# Altium PCB GEM_AFE_128.PcbDoc (part 6 of 18)
Units mm, origin at the board's own origin, x right, y up, seen from the top; angles counter-clockwise.
Board outline 112 x 81.5 mm, 8 copper layers (Top Layer, L1, L2, L3, L4, L5, L6, Bottom Layer), stack 1.52 mm thick; 1880 components, 1258 nets, 6287 pads, 2369 vias.
Unrouted connection lines stored in the file: 4.
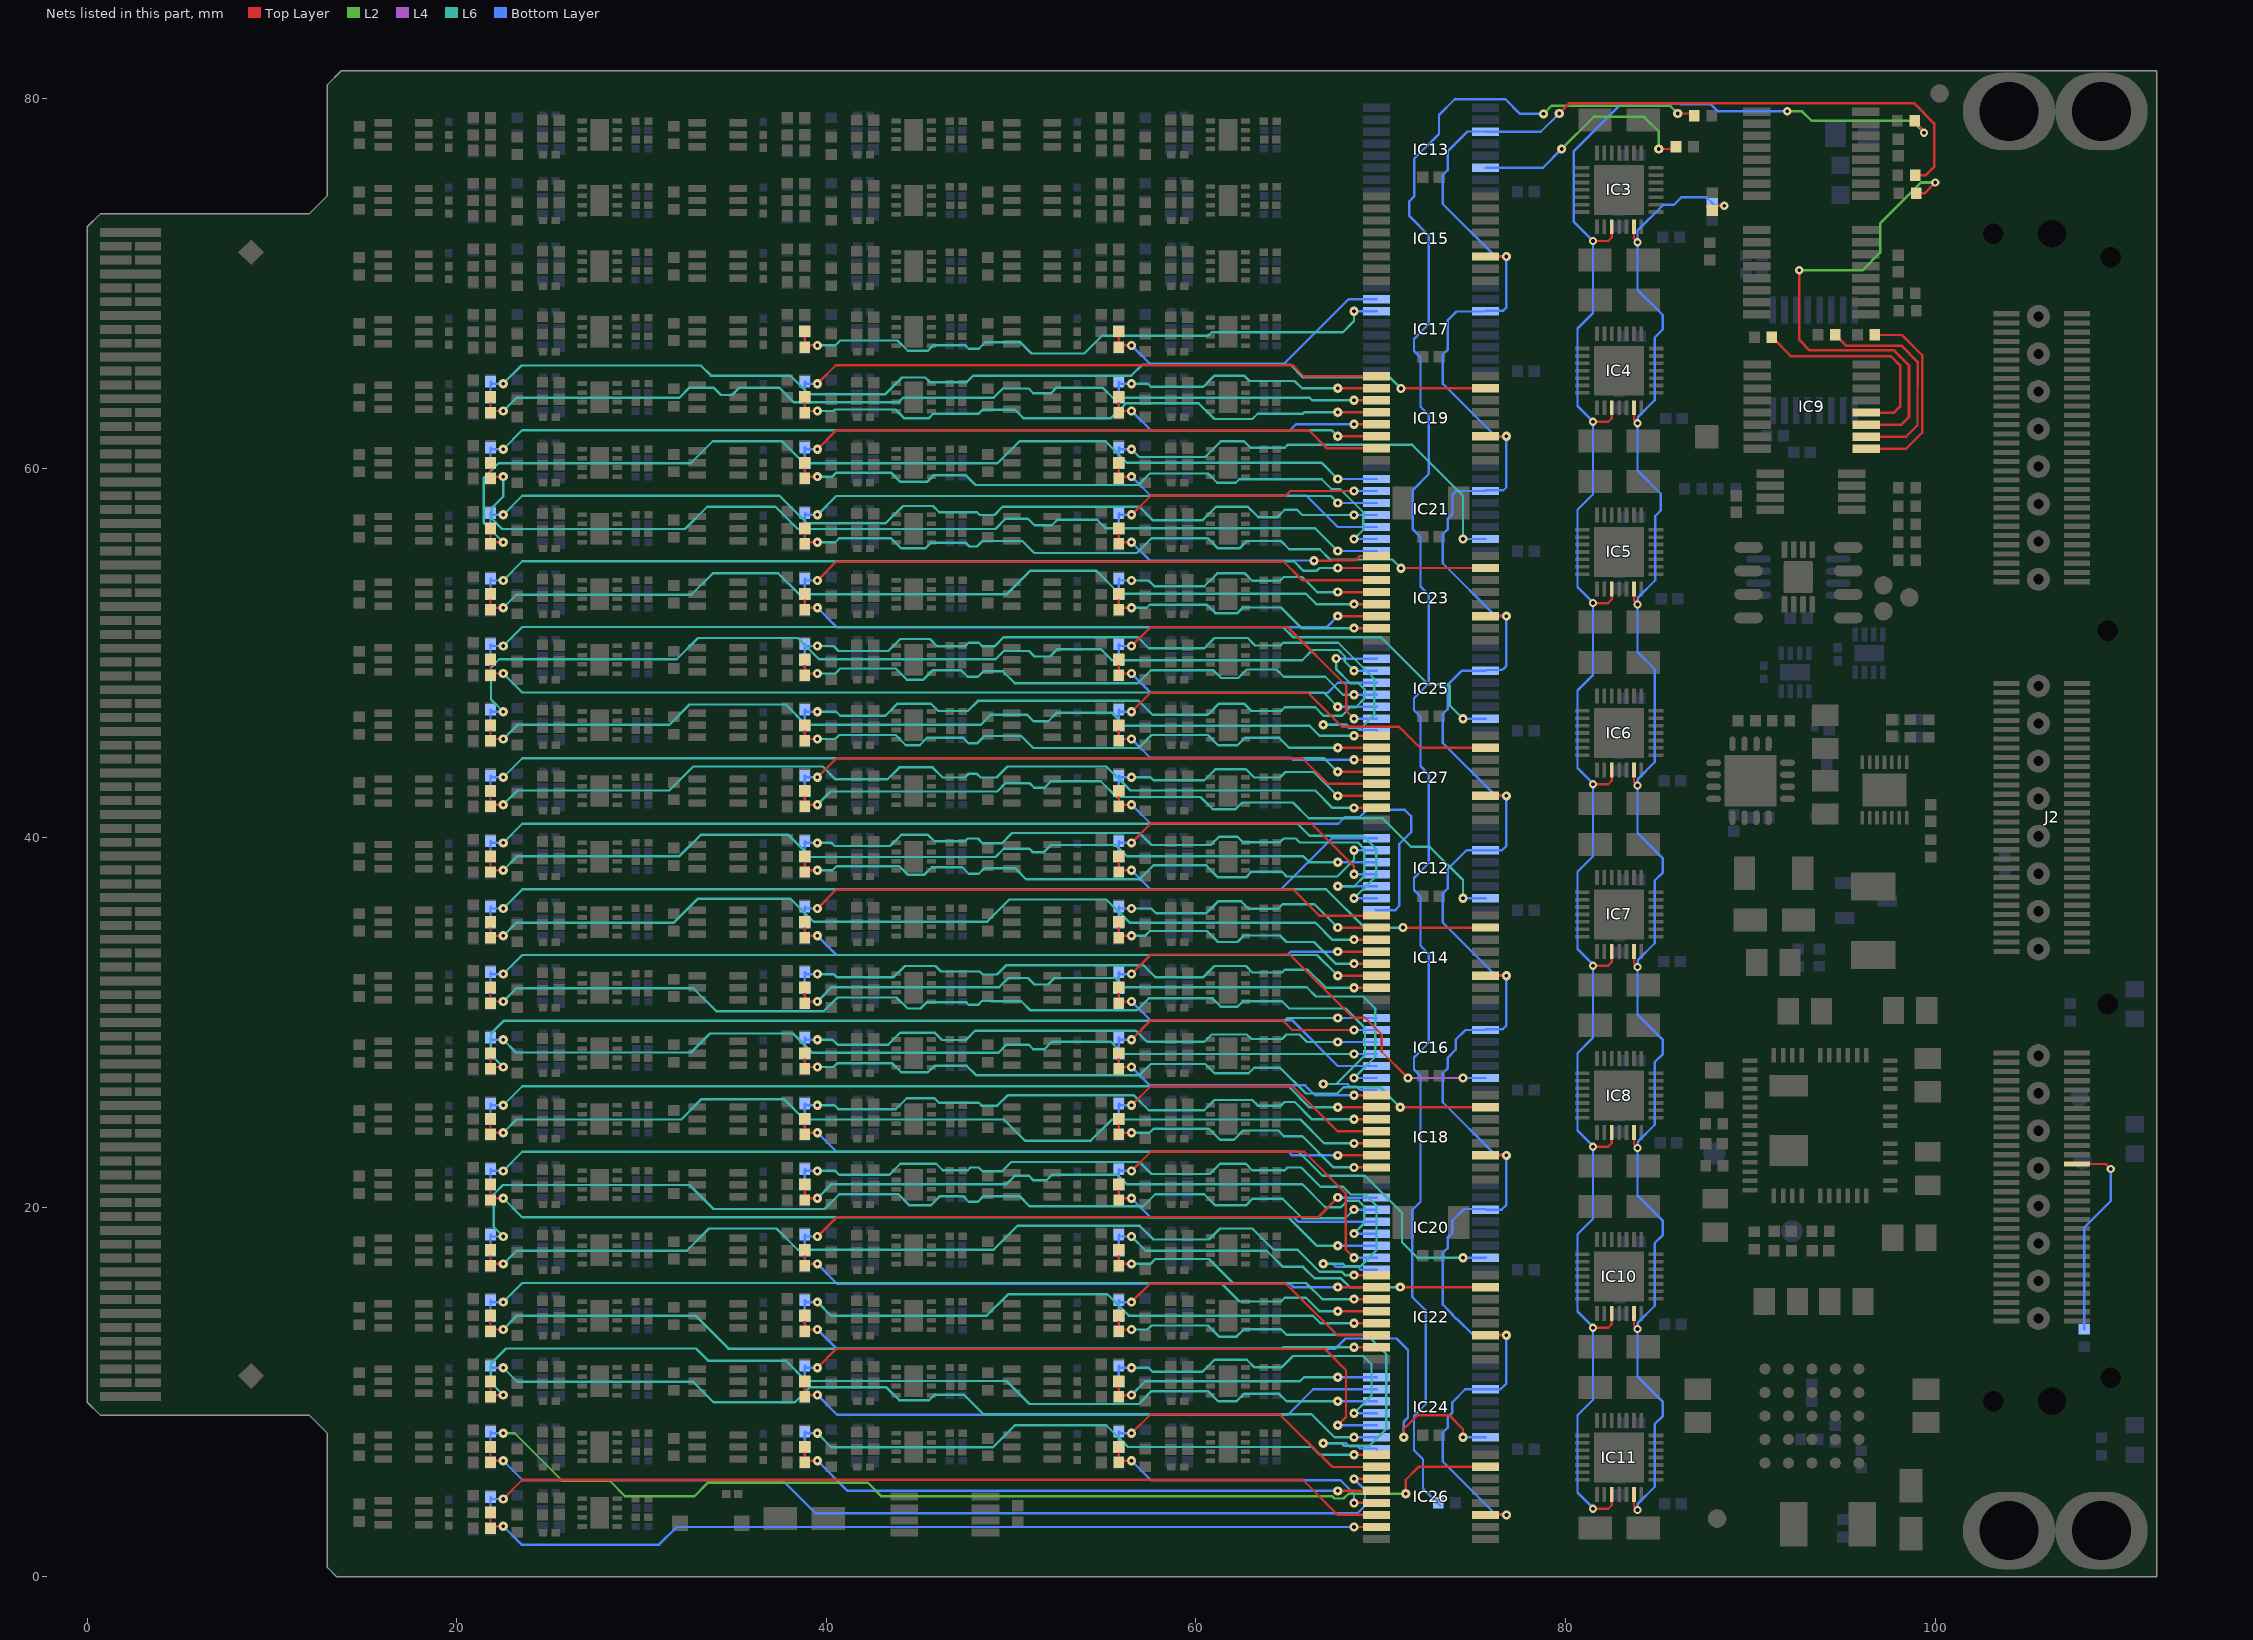
[diagram p12: the nets of this part, all layers, seen from the top]

## Via types
v1: diameter 0.5, hole 0.2, Top Layer to Bottom Layer, tented both sides, 1849 vias
v2: diameter 0.45, hole 0.2, Top Layer to Bottom Layer, tented both sides, 506 vias
v3: diameter 0.45, hole 0.2, Top Layer to Bottom Layer, 14 vias

## Nets (pads, with @x,y where several pads share a name; then routed paths per layer and width w, separated by ;. In a path a pad name is that pad's centre, name@x,y a point inside that pad or via, vN(x,y) a via of type N, cw(c..) or ccw(c..) an arc to the next point about the centre after c; other vN are vias at no path point) (continued)
CAL_IN22: C1W.2 IC17.6 R1W.2 | length 34
  Top Layer w0.127: C1W.2@38.826,67.395 38.827,66.56 R1W.2@38.852,66.534 ; R1W.2@38.852,66.634 v1(39.514,66.634)
  L6 w0.127: v1(39.514,66.634) 40.484,66.634 40.75,66.9 43.85,66.9 44.4,66.35 45.5,66.35 45.8,66.65 47.5,66.65 47.7,66.45 48.25,66.45 48.6,66.8 50.5,66.8 51.1,66.2 53.95,66.2 54.9,67.15 60.65,67.15 60.85,67.35 67.95,67.35 68.55,67.95 v1(68.55,68.479)
  Bottom Layer w0.127: v1(68.55,68.479) IC17.6@69.775,68.479
CAL_IN23: C1X.2 IC17.7 R1X.2 | length 16.6
  Top Layer w0.127: C1X.2@55.826,67.395 55.827,66.56 R1X.2@55.852,66.534 ; R1X.2@55.852,66.634 v1(56.514,66.634)
  Bottom Layer w0.127: v1(56.514,66.634) 57.506,65.643 64.525,65.643 64.532,65.65 64.776,65.65 68.254,69.129 IC17.7@69.775,69.129
CAL_IN24: C1Y.2 IC19.15 R1Y.2 | length 57.1
  Top Layer w0.127: v1@71.1,64.314 IC19.15@75.673,64.314
  L6 w0.127: v1(22.514,64.566) 23.498,65.55 33.2,65.55 33.75,65 38.05,65 39.05,64 43.2,64 44.1,64.9 45.35,64.9 45.6,64.65 47.6,64.65 47.95,65 56.5,65 57.1,65.6 65.1,65.6 65.8,64.9 70.495,64.9 v1(71.091,64.304)
  Bottom Layer w0.127: C1Y.2@21.827,63.805 21.827,64.64 R1Y.2@21.852,64.666 ; R1Y.2@21.852,64.566 v1(22.514,64.566)
CAL_IN25: C1Z.2 IC19.1 R1Z.2 | length 32.4
  Top Layer w0.127: v1(39.514,64.566) 40.506,65.557 65.243,65.557 65.836,64.964 68.548,64.964 68.774,64.964 IC19.1@69.773,64.964
  Bottom Layer w0.127: C1Z.2@38.827,63.805 38.827,64.64 R1Z.2@38.852,64.666 ; R1Z.2@38.852,64.566 v1(39.514,64.566)
CAL_IN26: C1AA.2 IC19.2 R1AA.2 | length 15.4
  Top Layer w0.127: v1(67.673,64.314) IC19.2@69.773,64.314
  L6 w0.127: v1(56.514,64.566) 57.384,64.566 57.55,64.4 60.4,64.4 61,65 62.6,65 62.889,64.711 65.339,64.711 65.736,64.314 v1(67.673,64.314)
  Bottom Layer w0.127: C1AA.2@55.827,63.805 55.827,64.64 R1AA.2@55.852,64.666 ; R1AA.2@55.852,64.566 v1(56.514,64.566)
CAL_IN27: C1AB.2 IC19.3 R1AB.2 | length 50.8
  Top Layer w0.127: C1AB.2@21.826,63.845 21.827,63.01 R1AB.2@21.852,62.984 ; R1AB.2@21.852,63.084 v1(22.514,63.084) ; v1(68.548,63.664) IC19.3@69.773,63.664
  L6 w0.127: v1(22.514,63.084) 23.229,63.8 32.05,63.8 32.6,64.35 33.9,64.35 34.3,63.95 34.9,63.95 35.3,64.35 37.45,64.35 38.25,63.55 43.9,63.55 44.15,63.8 49.05,63.8 49.55,64.3 50.95,64.3 51.2,64.05 52.15,64.05 52.45,64.35 54.95,64.35 55.5,63.8 66.15,63.8 66.286,63.664 v1(68.548,63.664)
CAL_IN28: C1AC.2 IC19.4 R1AC.2 | length 33.2
  Top Layer w0.127: C1AC.2@38.826,63.845 38.827,63.01 R1AC.2@38.852,62.984 ; R1AC.2@38.852,63.084 v1(39.514,63.084) ; v1(67.673,63.014) IC19.4@69.773,63.014
  L6 w0.127: v1(39.514,63.084) 40.384,63.084 40.465,63.165 43.735,63.165 44.2,62.7 45.55,62.7 45.789,62.939 48.239,62.939 48.45,63.15 50.2,63.15 50.65,62.7 55.4,62.7 56.2,63.5 60.151,63.5 61,62.65 63.05,62.65 63.339,62.939 65.789,62.939 65.864,63.014 v1(67.673,63.014)
CAL_IN29: C1AD.2 IC19.5 R1AD.2 | length 15.4
  Top Layer w0.127: C1AD.2@55.826,63.845 55.827,63.01 R1AD.2@55.852,62.984 ; R1AD.2@55.852,63.084 v1(56.514,63.084) ; v1(68.548,62.364) IC19.5@69.773,62.364
  Bottom Layer w0.127: v1(56.514,63.084) 57.548,62.05 65.1,62.05 65.414,62.364 v1(68.548,62.364)
CAL_IN30: C1AE.2 IC19.6 R1AE.2 | length 49.4
  Top Layer w0.127: v1(67.673,61.714) IC19.6@69.773,61.714
  L6 w0.127: v1(22.514,61.016) 23.548,62.05 67.337,62.05 v1(67.673,61.714)
  Bottom Layer w0.127: C1AE.2@21.826,60.255 21.827,61.09 R1AE.2@21.852,61.116 ; R1AE.2@21.852,61.016 v1(22.514,61.016)
CAL_IN31: C1AF.2 IC19.7 R1AF.2 | length 32.6
  Top Layer w0.127: v1(39.514,61.016) 40.548,62.05 66.1,62.05 67.086,61.064 68.548,61.064 IC19.7@69.773,61.064
  Bottom Layer w0.127: C1AF.2@38.826,60.255 38.827,61.09 R1AF.2@38.852,61.116 ; R1AF.2@38.852,61.016 v1(39.514,61.016)
CAL_IN32: C1AG.2 IC21.15 R1AG.2 | length 24.9
  L6 w0.127: v1(56.514,61.016) 56.929,60.6 60.5,60.6 61.35,61.45 62.6,61.45 62.95,61.1 64.8,61.1 64.95,61.25 71.7,61.25 74.45,58.5 v1(74.45,56.157)
  Bottom Layer w0.127: C1AG.2@55.826,60.255 55.827,61.09 R1AG.2@55.852,61.116 ; R1AG.2@55.852,61.016 v1(56.514,61.016) ; v1(74.45,56.157) IC21.15@75.675,56.157
CAL_IN33: C1AH.2 IC21.1 R1AH.2 | length 54.4
  Top Layer w0.127: C1AH.2@21.827,60.295 21.827,59.46 R1AH.2@21.852,59.434 ; R1AH.2@21.852,59.534 v1(22.514,59.534)
  L6 w0.127: v1(22.514,59.534) 22.514,58.464 21.9,57.85 21.9,57.25 22.45,56.7 32.35,56.7 33.55,57.9 37.25,57.9 38.45,56.7 49.15,56.7 49.7,57.25 50.914,57.25 51.264,56.9 52.2,56.9 52.5,57.2 54.65,57.2 55.1,56.75 66.432,56.75 v1(67.675,55.507)
  Bottom Layer w0.127: v1(67.675,55.507) IC21.1@69.775,55.507
CAL_IN34: C1AI.2 IC21.2 R1AI.2 | length 35.9
  Top Layer w0.127: C1AI.2@38.827,60.295 38.827,59.46 R1AI.2@38.852,59.434 ; R1AI.2@38.852,59.534 v1(39.514,59.534)
  L6 w0.127: v1(39.514,59.534) 40.334,59.534 40.55,59.75 43.5,59.75 44,59.25 45.45,59.25 45.8,59.6 47.55,59.6 48.066,59.084 56.884,59.084 57.5,59.7 60.65,59.7 61.15,59.2 62.15,59.2 62.339,59.389 66.811,59.389 67.35,58.85 67.803,58.85 69.05,57.603 69.05,56.657 v1(68.55,56.157)
  Bottom Layer w0.127: v1(68.55,56.157) IC21.2@69.775,56.157
CAL_IN35: C1AJ.2 IC21.3 R1AJ.2 | length 15.9
  Top Layer w0.127: C1AJ.2@55.827,60.295 55.827,59.46 R1AJ.2@55.852,59.434 ; R1AJ.2@55.852,59.534 v1(56.514,59.534)
  Bottom Layer w0.127: v1(56.514,59.534) 57.551,58.497 65.985,58.497 67.675,56.807 IC21.3@69.775,56.807
CAL_IN36: C1AK.2 IC21.4 R1AK.2 | length 51.7
  L6 w0.127: v1(22.514,57.466) 23.548,58.5 37.464,58.5 38.954,57.011 43.208,57.011 44.144,57.947 45.77,57.947 46.106,57.611 48.147,57.611 48.298,57.46 49.093,57.46 49.533,57.9 56.937,57.9 57.654,57.182 60.372,57.182 61.102,57.912 62.797,57.912 63.366,57.343 64.405,57.343 64.801,57.739 65.47,57.739 65.751,57.457 v1(68.55,57.457)
  Bottom Layer w0.127: C1AK.2@21.826,56.705 21.827,57.54 R1AK.2@21.852,57.566 ; R1AK.2@21.852,57.466 v1(22.514,57.466) ; v1(68.55,57.457) IC21.4@69.775,57.457
CAL_IN37: C1AL.2 IC21.5 R1AL.2 | length 32.4
  L6 w0.127: v1(39.514,57.466) 40.531,58.482 67.3,58.482 v1(67.675,58.107)
  Bottom Layer w0.127: C1AL.2@38.826,56.705 38.827,57.54 R1AL.2@38.852,57.566 ; R1AL.2@38.852,57.466 v1(39.514,57.466) ; v1(67.675,58.107) IC21.5@69.775,58.107
CAL_IN38: C1AM.2 IC21.6 R1AM.2 | length 15.3
  Top Layer w0.127: v1(56.514,57.466) 57.548,58.5 64.85,58.5 65.107,58.757 v1(68.55,58.757)
  Bottom Layer w0.127: C1AM.2@55.826,56.705 55.827,57.54 R1AM.2@55.852,57.566 ; R1AM.2@55.852,57.466 v1(56.514,57.466) ; v1(68.55,58.757) IC21.6@69.775,58.757
CAL_IN39: C1AN.2 IC21.7 R1AN.2 | length 56.4
  Top Layer w0.127: C1AN.2@21.826,56.745 21.827,55.91 R1AN.2@21.852,55.884 ; R1AN.2@21.852,55.984 v1(22.514,55.984)
  L6 w0.127: v1(22.514,55.984) 21.465,57.033 21.465,59.465 22.261,60.261 32.661,60.261 33.85,61.45 37.6,61.45 38.789,60.261 49.261,60.261 50.45,61.45 55.1,61.45 56.258,60.292 66.79,60.292 v1(67.675,59.407)
  Bottom Layer w0.127: v1(67.675,59.407) IC21.7@69.775,59.407
CAL_IN40: C1AO.2 IC23.15 R1AO.2 | length 39.9
  Top Layer w0.127: C1AO.2@38.826,56.745 38.827,55.91 R1AO.2@38.852,55.884 ; R1AO.2@38.852,55.984 v1(39.514,55.984) ; v1@71.1,54.586 IC23.15@75.673,54.586
  L6 w0.127: v1(39.514,55.984) 40.484,55.984 40.7,56.2 43.5,56.2 44.05,55.65 45.35,55.65 45.65,55.95 47.55,55.95 47.75,55.75 48.15,55.75 48.45,56.05 50.6,56.05 51.25,55.4 56.8,55.4 57.6,56.2 60.65,56.2 61.2,55.65 62.35,55.65 62.75,56.05 64.6,56.05 65.05,55.6 66.7,55.6 67.25,55.05 70.618,55.05 v1(71.091,54.577)
CAL_IN41: C1AP.2 IC23.1 R1AP.2 | length 15.3
  Top Layer w0.127: C1AP.2@55.826,56.745 55.827,55.91 R1AP.2@55.852,55.884 ; R1AP.2@55.852,55.984 v1(56.514,55.984) ; v1(66.39,54.98) 67.338,54.98 67.376,55.018 68.657,55.018 68.875,55.236 IC23.1@69.773,55.236
  Bottom Layer w0.127: v1(56.514,55.984) 57.506,54.993 v1@66.39,54.993
CAL_IN42: C1AQ.2 IC23.2 R1AQ.2 | length 49.5
  Top Layer w0.127: v1(67.673,54.586) IC23.2@69.773,54.586
  L6 w0.127: v1(22.514,53.916) 23.548,54.95 65.3,54.95 65.8,54.45 66.55,54.45 66.686,54.586 v1(67.673,54.586)
  Bottom Layer w0.127: C1AQ.2@21.826,53.155 21.827,53.99 R1AQ.2@21.852,54.016 ; R1AQ.2@21.852,53.916 v1(22.514,53.916)
CAL_IN43: C1AR.2 IC23.3 R1AR.2 | length 32.6
  Top Layer w0.127: v1(39.514,53.916) 40.523,54.925 64.75,54.925 65.739,53.936 68.548,53.936 IC23.3@69.773,53.936
  Bottom Layer w0.127: C1AR.2@38.826,53.155 38.827,53.99 R1AR.2@38.852,54.016 ; R1AR.2@38.852,53.916 v1(39.514,53.916)
CAL_IN44: C1AS.2 IC23.4 R1AS.2 | length 15.8
  Top Layer w0.127: v1(67.673,53.286) IC23.4@69.773,53.286
  L6 w0.127: v1(56.514,53.916) 57.434,53.916 57.75,53.6 60.45,53.6 61.15,54.3 62.65,54.3 63.05,53.9 64.55,53.9 64.75,54.1 65.75,54.1 66.564,53.286 v1(67.673,53.286)
  Bottom Layer w0.127: C1AS.2@55.826,53.155 55.827,53.99 R1AS.2@55.852,54.016 ; R1AS.2@55.852,53.916 v1(56.514,53.916)
CAL_IN45: C1AT.2 IC23.5 R1AT.2 | length 51.3
  Top Layer w0.127: C1AT.2@21.826,53.195 21.827,52.36 R1AT.2@21.852,52.334 ; R1AT.2@21.852,52.434 v1(22.514,52.434) ; v1(68.548,52.636) IC23.5@69.773,52.636
  L6 w0.127: v1(22.514,52.434) 23.221,53.142 32.692,53.142 33.85,54.3 37.4,54.3 38.523,53.177 49.777,53.177 51.05,54.45 54.6,54.45 55.85,53.2 65.95,53.2 66.514,52.636 v1(68.548,52.636)
CAL_IN46: C1AU.2 IC23.6 R1AU.2 | length 32.5
  Top Layer w0.127: C1AU.2@38.826,53.195 38.827,52.36 R1AU.2@38.852,52.334 ; R1AU.2@38.852,52.434 v1(39.514,52.434) ; v1@67.636,51.986 IC23.6@69.773,51.986
  Bottom Layer w0.127: v1(39.514,52.434) 40.573,51.375 67.062,51.375 v1(67.673,51.986)
CAL_IN47: C1AV.2 IC23.7 R1AV.2 | length 15.6
  Top Layer w0.127: C1AV.2@55.826,53.195 55.827,52.36 R1AV.2@55.852,52.334 ; R1AV.2@55.852,52.434 v1(56.514,52.434) ; v1(68.548,51.336) IC23.7@69.773,51.336
  L6 w0.127: v1(56.514,52.434) 57.334,52.434 57.5,52.6 60.6,52.6 61.05,52.15 62.25,52.15 62.55,52.45 64.6,52.45 65.714,51.336 v1(68.548,51.336)
CAL_IN48: C1AW.2 IC25.15 R1AW.2 | length 57.8
  L6 w0.127: v1(22.514,50.366) 23.548,51.4 64.7,51.4 65.25,50.85 70,50.85 72.55,48.3 73.65,48.3 73.731,48.219 73.731,47.155 v1(74.45,46.436)
  Bottom Layer w0.127: C1AW.2@21.826,49.605 21.827,50.44 R1AW.2@21.852,50.466 ; R1AW.2@21.852,50.366 v1(22.514,50.366) ; v1(74.45,46.436) IC25.15@75.675,46.436
CAL_IN49: C1AX.2 IC25.1 R1AX.2 | length 42.2
  L6 w0.127: v1(39.514,50.366) 40.384,50.366 40.65,50.1 43.35,50.1 44,50.75 45.6,50.75 46,50.35 47.5,50.35 47.7,50.55 48.25,50.55 48.45,50.35 49.1,50.35 49.6,50.85 56.85,50.85 57.45,50.25 60.45,50.25 61,50.8 62.8,50.8 63.2,50.4 64.576,50.4 64.726,50.55 67.7,50.55 69.65,48.6 69.65,46.65 68.95,45.95 68.25,45.95 68.089,46.111 v1(66.892,46.111)
  Bottom Layer w0.127: C1AX.2@38.826,49.605 38.827,50.44 R1AX.2@38.852,50.466 ; R1AX.2@38.852,50.366 v1(39.514,50.366) ; v1(66.892,46.111) 68.168,46.111 68.291,45.988 68.684,45.988 68.85,45.821 69.739,45.821 IC25.1@69.775,45.786
CAL_IN50: C1AY.2 IC25.2 R1AY.2 | length 18.1
  Top Layer w0.127: v1(56.514,50.366) 57.548,51.4 64.95,51.4 68.129,48.221 68.129,46.857 v1(68.55,46.436)
  Bottom Layer w0.127: C1AY.2@55.826,49.605 55.827,50.44 R1AY.2@55.852,50.466 ; R1AY.2@55.852,50.366 v1(56.514,50.366) ; v1(68.55,46.436) IC25.2@69.775,46.436
CAL_IN51: C1AZ.2 IC25.3 R1AZ.2 | length 49.5
  Top Layer w0.127: C1AZ.2@21.826,49.645 21.827,48.81 R1AZ.2@21.852,48.784 ; R1AZ.2@21.852,48.884 v1(22.514,48.884)
  L6 w0.127: v1(22.514,48.884) 23.548,47.85 66.911,47.85 v1(67.675,47.086)
  Bottom Layer w0.127: v1(67.675,47.086) IC25.3@69.775,47.086
CAL_IN52: C1BA.2 IC25.4 R1BA.2 | length 34.1
  Top Layer w0.127: C1BA.2@38.826,49.645 38.827,48.81 R1BA.2@38.852,48.784 ; R1BA.2@38.852,48.884 v1(39.514,48.884)
  L6 w0.127: v1(39.514,48.884) 40.484,48.884 40.75,49.15 43.75,49.15 44.35,48.55 45.25,48.55 45.75,49.05 47.3,49.05 47.65,48.7 48.2,48.7 48.5,49 49.55,49 50.2,48.35 56.85,48.35 57.55,49.05 60.95,49.05 61.365,48.635 62.285,48.635 62.75,49.1 64.35,49.1 64.75,48.7 67,48.7 67.964,47.736 v1(68.55,47.736)
  Bottom Layer w0.127: v1(68.55,47.736) IC25.4@69.775,47.736
CAL_IN53: C1BB.2 IC25.5 R1BB.2 | length 15.5
  Top Layer w0.127: C1BB.2@55.826,49.645 55.827,48.81 R1BB.2@55.852,48.784 ; R1BB.2@55.852,48.884 v1(56.514,48.884)
  Bottom Layer w0.127: v1(56.514,48.884) 57.573,47.825 67.114,47.825 67.675,48.386 IC25.5@69.775,48.386
CAL_IN54: C1BC.2 IC25.6 R1BC.2 | length 54.8
  L6 w0.127: v1(22.514,46.816) 21.85,47.479 21.85,49.2 22.3,49.65 31.9,49.65 33.05,50.8 38.45,50.8 39.6,49.65 49.15,49.65 49.6,50.1 50.964,50.1 51.264,49.8 52.1,49.8 52.5,50.2 54.85,50.2 55.45,49.6 65.75,49.6 66.3,50.15 67.716,50.15 68.05,49.816 68.05,49.536 v1(68.55,49.036)
  Bottom Layer w0.127: C1BC.2@21.826,46.055 21.827,46.89 R1BC.2@21.852,46.916 ; R1BC.2@21.852,46.816 v1(22.514,46.816) ; v1(68.55,49.036) IC25.6@69.775,49.036
CAL_IN55: C1BD.2 IC25.7 R1BD.2 | length 38.6
  L6 w0.127: v1(39.514,46.816) 40.534,46.816 40.75,46.6 43.2,46.6 43.85,47.25 45.65,47.25 46.05,46.85 47.65,46.85 48.2,47.4 56.9,47.4 57.65,46.65 60.65,46.65 61.25,47.25 62.6,47.25 63,46.85 64.6,46.85 64.8,47.05 66.45,47.05 66.9,46.6 67.9,46.6 68.35,47.05 68.65,47.05 69.15,47.55 69.15,48 68.8,48.35 68.35,48.35 67.583,49.117 v1(67.583,49.696)
  Bottom Layer w0.127: C1BD.2@38.826,46.055 38.827,46.89 R1BD.2@38.852,46.916 ; R1BD.2@38.852,46.816 v1(39.514,46.816) ; v1(67.583,49.696) 67.594,49.686 IC25.7@69.775,49.686
CAL_IN56: C1BE.2 IC27.15 R1BE.2 | length 22.3
  Top Layer w0.127: v1(56.514,46.816) 57.523,47.825 66.075,47.825 67.9,46 70.989,46 72.126,44.863 ; 72.126,44.859 IC27.15@75.673,44.859
  Bottom Layer w0.127: C1BE.2@55.826,46.055 55.827,46.89 R1BE.2@55.852,46.916 ; R1BE.2@55.852,46.816 v1(56.514,46.816)
CAL_IN57: C1BF.2 IC27.1 R1BF.2 | length 51.1
  Top Layer w0.127: C1BF.2@21.826,46.095 21.827,45.26 R1BF.2@21.852,45.234 ; R1BF.2@21.852,45.334 v1(22.514,45.334) ; v1(68.548,45.509) IC27.1@69.773,45.509
  L6 w0.127: v1(22.514,45.334) 23.279,46.1 31.5,46.1 32.6,47.2 37.8,47.2 38.9,46.1 48.35,46.1 48.9,46.65 50.864,46.65 51.212,46.302 52.002,46.302 52.45,46.75 55.45,46.75 56.15,46.05 66.15,46.05 66.691,45.509 v1(68.548,45.509)
CAL_IN58: C1BG.2 IC27.2 R1BG.2 | length 33.7
  Top Layer w0.127: C1BG.2@38.826,46.095 38.827,45.26 R1BG.2@38.852,45.234 ; R1BG.2@38.852,45.334 v1(39.514,45.334) ; v1(67.673,44.859) IC27.2@69.773,44.859
  L6 w0.127: v1(39.514,45.334) 40.484,45.334 40.7,45.55 43.75,45.55 44.3,45 45.05,45 45.45,45.4 47.4,45.4 47.7,45.1 48.15,45.1 48.55,45.5 50.55,45.5 51.2,44.85 56.9,44.85 57.6,45.55 60.65,45.55 61.2,45 62.25,45 62.65,45.4 64.5,45.4 65.041,44.859 v1(67.673,44.859)
CAL_IN59: C1BH.2 IC27.3 R1BH.2 | length 15.3
  Top Layer w0.127: C1BH.2@55.826,46.095 55.827,45.26 R1BH.2@55.852,45.234 ; R1BH.2@55.852,45.334 v1(56.514,45.334) ; v1(68.549,44.209) IC27.3@69.773,44.209
  Bottom Layer w0.127: v1(56.514,45.334) 57.523,44.325 65.125,44.325 65.241,44.209 v1(68.549,44.209)
CAL_IN60: C1BI.2 IC27.4 R1BI.2 | length 49.5
  Top Layer w0.127: v1(67.673,43.559) IC27.4@69.773,43.559
  L6 w0.127: v1(22.514,43.266) 23.548,44.3 66.933,44.3 v1(67.673,43.559)
  Bottom Layer w0.127: C1BI.2@21.826,42.505 21.827,43.34 R1BI.2@21.852,43.366 ; R1BI.2@21.852,43.266 v1(22.514,43.266)
CAL_IN61: C1BJ.2 IC27.5 R1BJ.2 | length 32.8
  Top Layer w0.127: v1(39.514,43.266) 40.548,44.3 65.75,44.3 67.141,42.909 68.548,42.909 IC27.5@69.773,42.909
  Bottom Layer w0.127: C1BJ.2@38.826,42.505 38.827,43.34 R1BJ.2@38.852,43.366 ; R1BJ.2@38.852,43.266 v1(39.514,43.266)
CAL_IN62: C1BK.2 IC27.6 R1BK.2 | length 16
  Top Layer w0.127: v1(67.673,42.259) IC27.6@69.773,42.259
  L6 w0.127: v1(56.514,43.266) 57.534,43.266 57.7,43.1 60.45,43.1 61.05,43.7 62.7,43.7 63.15,43.25 64.55,43.25 64.85,43.55 66.383,43.55 v1(67.673,42.259)
  Bottom Layer w0.127: C1BK.2@55.826,42.505 55.827,43.34 R1BK.2@55.852,43.366 ; R1BK.2@55.852,43.266 v1(56.514,43.266)
CAL_IN63: C1BL.2 IC27.7 R1BL.2 | length 51.8
  Top Layer w0.127: C1BL.2@21.826,42.545 21.827,41.71 R1BL.2@21.852,41.684 ; R1BL.2@21.852,41.784 v1(22.514,41.784) ; v1(68.548,41.609) IC27.7@69.773,41.609
  L6 w0.127: v1(22.514,41.784) 23.279,42.55 31.5,42.55 32.8,43.85 39.8,43.85 40.5,43.15 43.3,43.15 43.95,43.8 45.75,43.8 46.3,43.25 47.486,43.25 47.686,43.45 48.15,43.45 48.35,43.25 49.2,43.25 49.8,43.85 55.15,43.85 56.45,42.55 66.45,42.55 67.391,41.609 v1(68.548,41.609)
CAL_IN64: C1BM.2 IC12.15 R1BM.2 | length 41.9
  Top Layer w0.127: C1BM.2@38.826,42.545 38.827,41.71 R1BM.2@38.852,41.684 ; R1BM.2@38.852,41.784 v1(39.514,41.784)
  L6 w0.127: v1(39.514,41.784) 40.229,42.5 49.25,42.5 49.7,42.95 51,42.95 51.25,42.7 51.8,42.7 52.15,43.05 54.85,43.05 55.7,42.2 60.25,42.2 60.915,41.535 62.135,41.535 62.5,41.9 65.25,41.9 66.1,41.05 70.1,41.05 71.65,39.5 72.65,39.5 74.45,37.7 v1(74.45,36.714)
  Bottom Layer w0.127: v1(74.45,36.714) IC12.15@75.675,36.714
CAL_IN65: C1BN.2 IC12.1 R1BN.2 | length 24.1
  Top Layer w0.127: C1BN.2@55.826,42.545 55.827,41.71 R1BN.2@55.852,41.684 ; R1BN.2@55.852,41.784 v1(56.514,41.784)
  Bottom Layer w0.127: v1(56.514,41.784) 57.548,40.75 67.7,40.75 68.05,41.1 68.85,41.1 69.25,41.5 71.3,41.5 71.65,41.15 71.65,40.3 71,39.65 71,36.3 70.764,36.064 IC12.1@69.775,36.064 IC12.1@69.729,36.11
CAL_IN66: C1BO.2 IC12.2 R1BO.2 | length 54.2
  L6 w0.127: v1(22.514,39.716) 23.548,40.75 65.5,40.75 66.15,40.1 69.05,40.1 69.75,39.4 69.75,37.914 v1(68.55,36.714)
  Bottom Layer w0.127: C1BO.2@21.826,38.955 21.827,39.79 R1BO.2@21.852,39.816 ; R1BO.2@21.852,39.716 v1(22.514,39.716) ; v1(68.55,36.714) IC12.2@69.775,36.714
CAL_IN67: C1BP.2 IC12.3 R1BP.2 | length 38.1
  L6 w0.127: v1(39.514,39.716) 40.284,39.716 40.45,39.55 43.45,39.55 44.05,40.15 45.5,40.15 45.85,39.8 47.5,39.8 47.65,39.95 48.2,39.95 48.45,39.7 49.5,39.7 50.05,40.25 56.95,40.25 57.6,39.6 60.8,39.6 61.25,40.05 62.25,40.05 62.55,39.75 64.55,39.75 64.75,39.95 65.4,39.95 65.618,39.732 68.768,39.732 69.1,39.4 69.1,37.9 68.564,37.364 v1(67.675,37.364)
  Bottom Layer w0.127: C1BP.2@38.826,38.955 38.827,39.79 R1BP.2@38.852,39.816 ; R1BP.2@38.852,39.716 v1(39.514,39.716) ; v1(67.675,37.364) IC12.3@69.775,37.364
CAL_IN68: C1BQ.2 IC12.4 R1BQ.2 | length 16.6
  Top Layer w0.127: v1(56.514,39.716) 57.573,40.775 66.225,40.775 68.55,38.45 v1(68.55,38.014)
  Bottom Layer w0.127: C1BQ.2@55.826,38.955 55.827,39.79 R1BQ.2@55.852,39.816 ; R1BQ.2@55.852,39.716 v1(56.514,39.716) ; v1(68.55,38.014) IC12.4@69.775,38.014
CAL_IN69: C1BR.2 IC12.5 R1BR.2 | length 50.9
  Top Layer w0.127: C1BR.2@21.826,38.995 21.827,38.16 R1BR.2@21.852,38.134 ; R1BR.2@21.852,38.234 v1(22.514,38.234)
  L6 w0.127: v1(22.514,38.234) 23.279,39 32.05,39 33.2,40.15 37.95,40.15 39.15,38.95 49.15,38.95 49.6,39.4 50.987,39.4 51.187,39.2 51.75,39.2 52.15,39.6 55.65,39.6 56.25,39 65.8,39 66.136,38.664 v1(67.675,38.664)
  Bottom Layer w0.127: v1(67.675,38.664) IC12.5@69.775,38.664
CAL_IN70: C1BS.2 IC12.6 R1BS.2 | length 34.5
  Top Layer w0.127: C1BS.2@38.826,38.995 38.827,38.16 R1BS.2@38.852,38.134 ; R1BS.2@38.852,38.234 v1(39.514,38.234)
  L6 w0.127: v1(39.514,38.234) 40.334,38.234 40.55,38.45 43.95,38.45 44.415,37.985 45.285,37.985 45.7,38.4 47.35,38.4 47.7,38.05 48.25,38.05 48.55,38.35 50.2,38.35 50.8,37.75 56.95,37.75 57.7,38.5 60.55,38.5 61.2,37.85 62.7,37.85 63,38.15 64.65,38.15 64.9,37.9 67.65,37.9 68.55,38.8 v1(68.55,39.314)
  Bottom Layer w0.127: v1(68.55,39.314) IC12.6@69.775,39.314
CAL_IN71: C1BT.2 IC12.7 R1BT.2 | length 16.4
  Top Layer w0.127: C1BT.2@55.826,38.995 55.827,38.16 R1BT.2@55.852,38.134 ; R1BT.2@55.852,38.234 v1(56.514,38.234)
  Bottom Layer w0.127: v1(56.514,38.234) 57.551,37.197 64.588,37.197 67.356,39.964 67.675,39.964 IC12.7@69.775,39.964
CAL_IN72: C1BU.2 IC14.15 R1BU.2 | length 56
  Top Layer w0.127: v1(71.2,35.132) IC14.15@75.673,35.132
  L6 w0.127: v1(22.514,36.166) 23.548,37.2 67.05,37.2 69.118,35.132 v1(71.2,35.132)
  Bottom Layer w0.127: C1BU.2@21.826,35.405 21.827,36.24 R1BU.2@21.852,36.266 ; R1BU.2@21.852,36.166 v1(22.514,36.166)
CAL_IN73: C1BV.2 IC14.1 R1BV.2 | length 32.8
  Top Layer w0.127: v1(39.514,36.166) 40.523,37.175 65.275,37.175 66.668,35.782 68.548,35.782 IC14.1@69.773,35.782